# KiCad board [DFR1144][M027.00940](V1.0.0).kicad_pcb (continued)
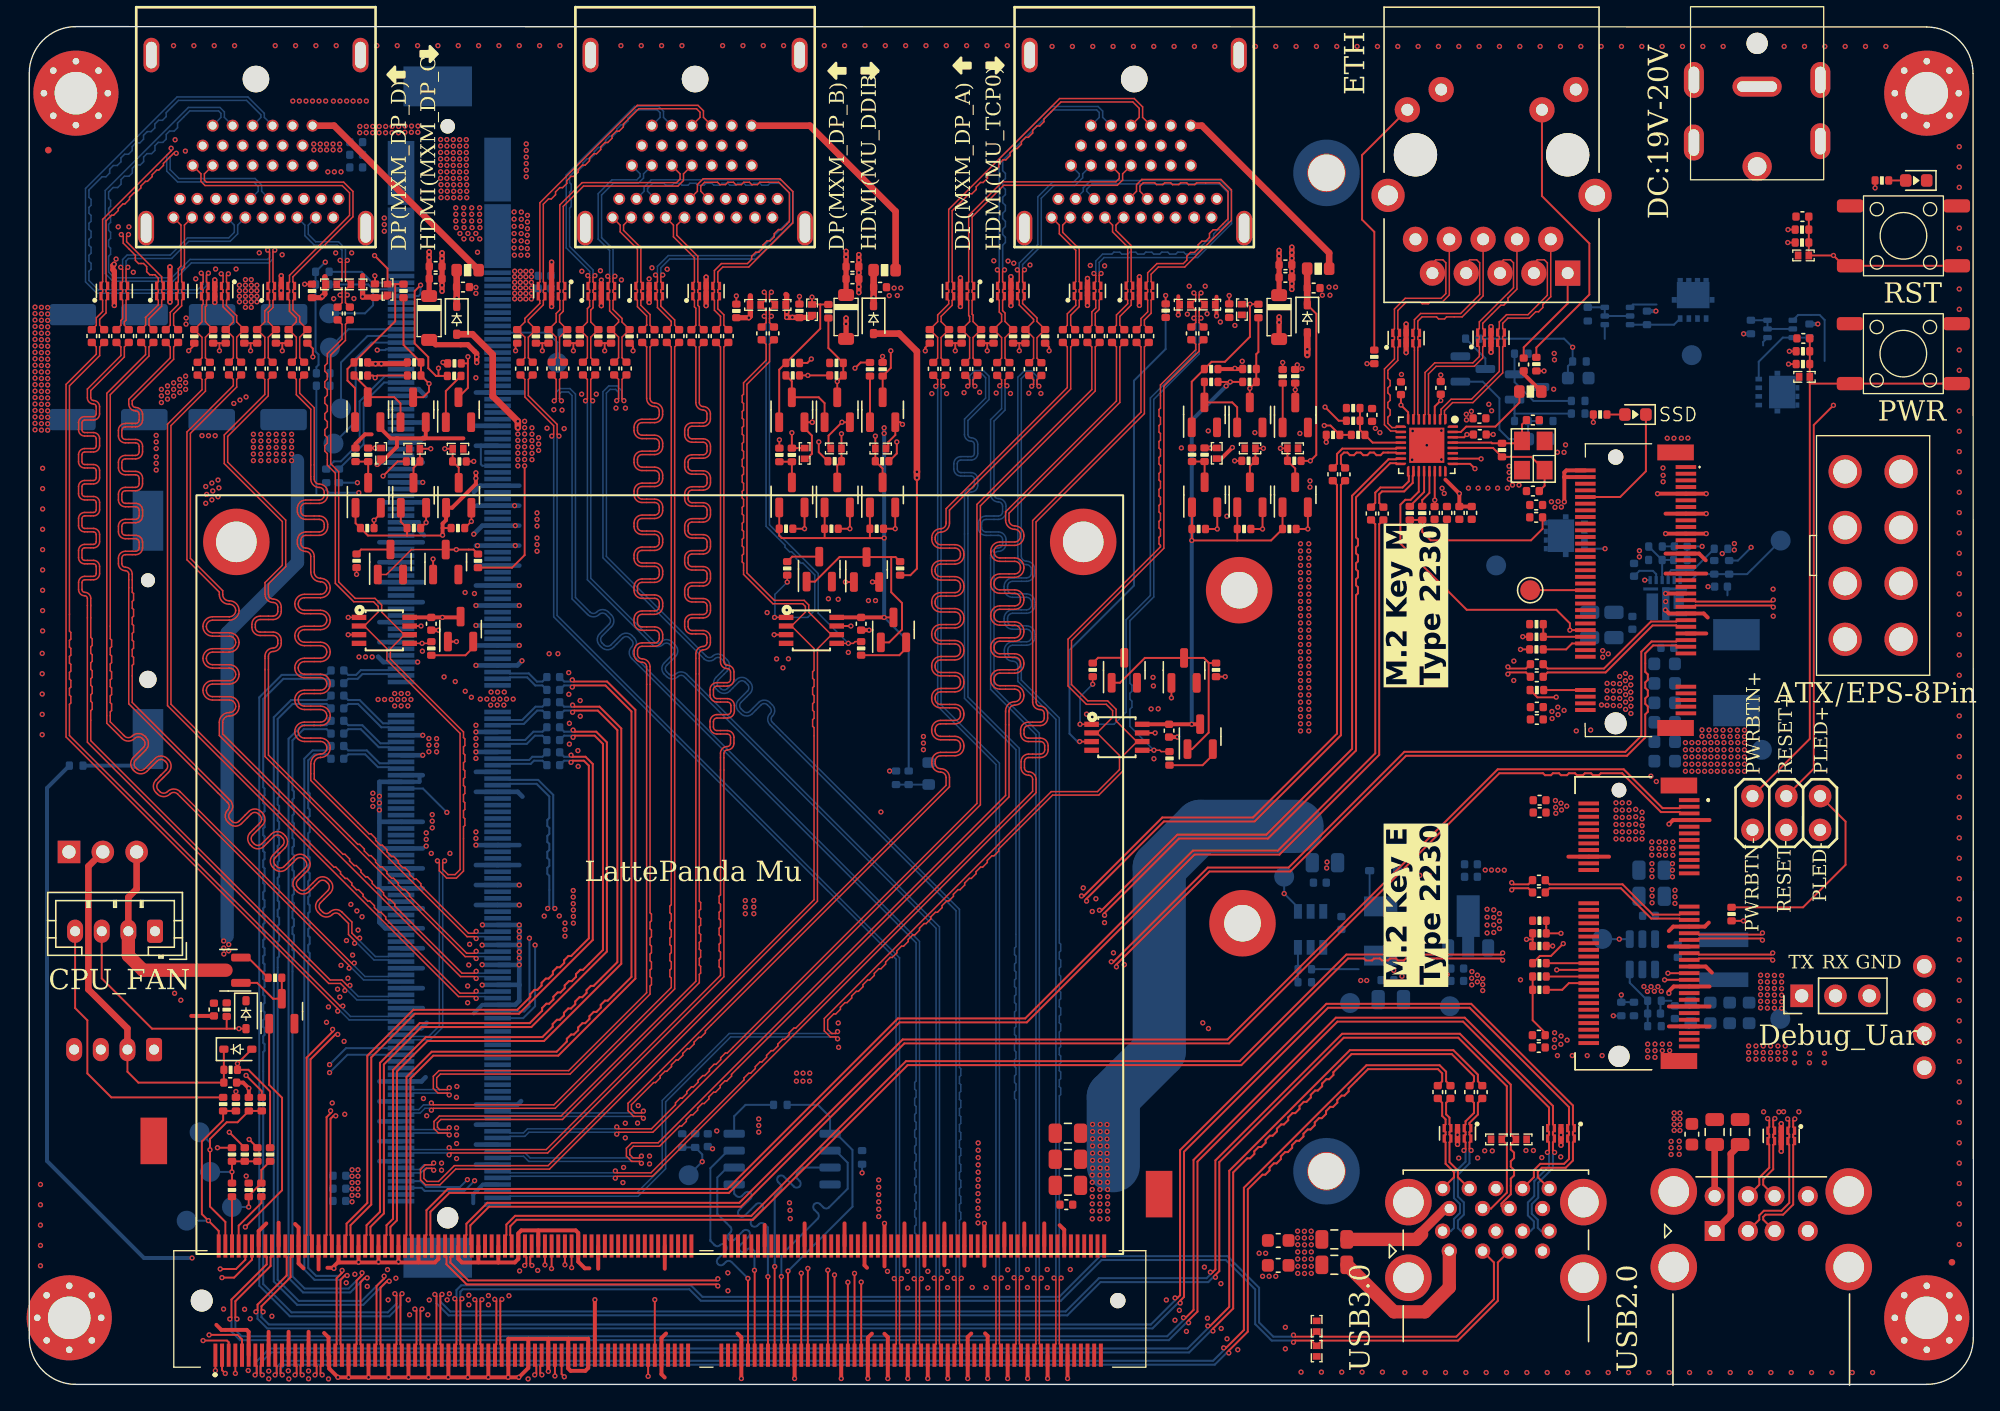
[diagram p0: board, top side]
## Nets (continued)

## Via types
v1: diameter 0.4, hole 0.2, In1.SIG1 to In8.SIG4, 1888 vias

## Routing (per net, layer and track width the routed paths; a pad name or vN(x,y) marks a point on that pad's centre or on a via; arc(x,y) is an arc through that point)
5V_HDMI_VCC: length 124.9
  In1.SIG1 w0.15: v1(59.29,70.8) 59.29,70.03 59.97,69.35 R157.1 ; D4.1 96.65,80.43 96.65,69.82 v1(96.21,69.38) R19.1 ; v1(26.57,68.24) 27.66,69.33 R114.1 ; v1(65.15,70.8) 65.15,69.93 64.57,69.35 R160.1 ; R16.1 v1(90.52,69.38) ; v1(33.38,69.34) 33.37,69.33 R117.1
  In1.SIG1 w0.5: D24.1 32.1,80.99 v1(32.1,81.62) F2.1 ; F1.1 95.97,81.11 D4.1 ; F6.1 v1(63.41,81.7) 63.41,81.04 D19.1
  In3.SIG2 w0.15: v1(96.21,69.38) v1(90.52,69.38) 89.1,70.8 v1(65.15,70.8) ; v1(33.38,69.34) 34.48,68.24 56.73,68.24 v1(59.29,70.8)
  In6.SIG3 w0.15: v1(59.29,70.8) v1(65.15,70.8) 65.15,79.96 v1(63.41,81.7) ; v1(33.38,69.34) 32.28,68.24 v1(26.57,68.24) ; 32.1,68.24 v1(32.1,81.62)
+1V0: length 25.1
  In1.SIG1 w0.15: U5.30 107.76,71.15 v1(107.97,71.36) C21.2 ; U5.8 103.55,73.03 v1(103.01,73.57) C19.2 ; C22.2 105.55,65.96 v1(105.55,66.43) U5.22 ; C20.2 v1(106,73.91) 105.55,73.46 U5.3
  In1.SIG1 w0.3: C30.2 C26.2 v1(107.4,66.92) 106.35,67.97
  In4.PWR w0.3: 107.4,71.35 v1(107.4,66.92) 106.9,66.43 v1(105.55,66.43) ; 107.4,71.35 107.96,71.35 ; 107.4,71.35 107.4,72.51 v1(106,73.91) 103.35,73.91 v1(103.01,73.57)
+3V3: length 193.3
  In1.SIG1 w0.15: Q2.1 90.72,64.26 R6.1 90.72,63.4 ; 62.47,57.62 C128.2 ; Q8.1 27.9,64.8 R29.1 28.37,63.77 ; R45.2 100.46,76.68 ; R44.2 v1(113.76,76.13) ; R149.1 v1(90.19,75.31) R150.1 ; R38.2 98.34,72.39 v1(97.31,73.42) ; R79.1 v1(15.52,22) 15.52,22.04 ; Q3.1 94.12,64.26 R4.1 93.26,63.4 90.72,63.4 ; Q1.1 87.32,64.27 R5.2 87.31,63.41 v1(87.3,63.4) 90.72,63.4 ; R22.1 v1(58.47,75.8) R23.1 ; Q15.1 56.32,65.88 R92.1 56.32,63.76 56.5,63.58 59.73,63.58 ; 63.13,63.58 v1(64.2,63.58) ; 63.13,63.58 59.73,63.58 ; 63.13,63.58 R91.1 63.13,65.88 Q17.1 ; R80.1 v1(14.13,17.78) ; R50.2 v1(117.46,72.27) ; R72.2 v1(132.08,86.75) ; 28.37,63.77 31.12,63.77 ; 28.37,63.77 25.43,63.77 R28.1 24.5,64.7 Q7.1 ; R69.2 138.62,89.88 ; R121.1 25.8,75.79 v1(25.97,75.62) 26.14,75.79 R120.1 ; C46.2 113.84,26.42 112.9,27.36 R54.2 R55.1 ; R67.2 v1(132.18,77.61) ; v1(128.74,34.82) 128.74,34.82 R64.1 ; R40.1 R41.1 104.61,64.05 105.25,63.41 112.78,63.41 113.65,64.28 C40.2 ; R27.1 31.04,64.33 ; Q16.1 59.73,65.88 R93.1 59.73,63.58 ; Q27.3 v1(64.2,57.62)
  In1.SIG1 w0.3: v1(31.04,63.79) 31.04,64.67 31.3,64.93 Q19.1 31.75,65.85 33.54,67.64 v1(33.54,68.06) v1(33.54,68.48) ; 115.28,68.16 v1(115.28,66.3) ; 115.28,68.16 115.28,68.51 115.43,68.66 J5.2 ; 115.28,68.16 115.28,68.16 J5.4 ; U21.8 C127.2 v1(87.3,49.59) 87.92,49.59 ; Q30.3 32.33,57.62 v1(31.03,57.62) C129.2 U23.8 ; v1(64.2,57.62) 62.47,57.62 ; U22.8 C128.2
  In1.SIG1 w0.4: 30.03,78.59 30.51,78.1 32.94,78.1 33.6,77.44 v1(33.6,77.19) v1(33.6,76.77) ; v1(61.34,80.1) v1(61.34,79.67) 61.34,78.66 ; 93.86,78.65 v1(93.86,79.78) v1(93.86,80.19)
  In3.SIG2 w0.15: v1(33.66,85.05) 32.32,83.7 22.84,83.7 v1(22.23,84.31) ; v1(25.97,75.62) 33.54,75.62 v1(33.54,75.62)
  In3.SIG2 w0.3: v1(31.03,57.62) 31.03,63.79
  In8.SIG4 w0.15: R90.1 66.04,55.78 v1(64.2,57.62) ; 123.32,28.82 R75.2 122.5,28.76 C58.1 ; v1(22.23,84.31) R112.2 R109.2 21.5,77.59 21.73,77.36 21.73,76.59 21.56,76.42 R107.1
  In8.SIG4 w0.3: v1(87.3,49.59) v1(87.3,63.4) 87.3,72.42 v1(89.89,75) v1(90.19,75.31) ; v1(64.2,57.62) v1(64.2,63.58) v1(64.2,71.44) v1(64.2,71.86)
  vias: v1(24.24,16.12) v1(24.24,15.64) v1(24.24,15.16) v1(24.24,14.68) v1(24.24,14.2) v1(24.24,13.72) v1(24.68,16.12) v1(24.68,15.64) v1(24.68,15.16) v1(24.68,14.68) v1(24.68,14.2) v1(100.46,76.68) v1(101.09,71.82) v1(101.43,71.5) v1(106.1,67.32) v1(106.26,66.93) v1(107.92,72.88) v1(107.93,72.45) v1(108.3,73.1) v1(114.31,66.31) v1(114.35,50.55) v1(114.36,50.02) v1(114.53,25.32) v1(114.58,65.89) v1(114.61,43.86) v1(114.63,43.35) v1(114.64,42.9) v1(114.55,26.42) v1(114.55,25.89) v1(114.81,66.33) v1(114.79,50.87) v1(114.81,50.31) v1(115.03,43.66) v1(115.04,26.17) v1(115.02,25.55) v1(115.06,65.91) v1(115.07,43.15) v1(115.26,50.63) v1(115.46,43.44) v1(115.49,25.86) v1(130.02,30.75) v1(130.02,30.25) v1(130.02,29.76) v1(130.02,29.27) v1(130.02,28.78) v1(130.02,28.29) v1(130.53,30.72) v1(130.53,30.23) v1(130.53,29.74) v1(130.53,29.25) v1(130.53,28.76) v1(130.53,28.26) v1(131.06,30.72) v1(131.06,30.23) v1(131.06,29.74) v1(131.06,29.25) v1(131.06,28.76) v1(131.06,28.26) v1(131.6,30.71) v1(131.6,30.22) v1(131.6,29.73) v1(131.6,29.24) v1(131.6,28.75) v1(131.6,28.25) v1(138.62,89.88)
+3V3_ROM: length 64.3
  In4.PWR w0.3: v1(106.48,30.8) v1(106.19,30.5) 104.88,29.2 61.79,29.2 v1(51.63,19.04)
  In8.SIG4 w0.15: U29.8 52.94,20.15 53.79,21 R138.2
+5V: length 338.2
  In1.SIG1 w0.15: R77.2 17.95,30.55 16.43,32.06 Q12.2 ; R127.1 v1(89.82,53.17) ; R130.1 66.17,60.79 66.66,61.28 v1(66.66,68.11) ; R133.1 36.26,61.36 37.2,62.3 v1(37.2,69)
  In1.SIG1 w0.5: D4.2 v1(95.98,77.76) v1(95.98,77.33) ; v1(66.66,68.11) v1(66.66,68.55) 66.66,77.6 65.32,78.94 D19.2 ; v1(36.69,71.87) v1(36.69,72.35) 34.8,74.24 34.8,77.37 33.28,78.89 D24.2
  In3.SIG2 w0.15: v1(89.82,53.17) 87,55.98 87,61.25 89.94,64.19 v1(89.94,65.22) ; v1(125.63,62.95) 125.63,47.97 v1(125.33,47.67)
  In3.SIG2 w0.5: v1(95.98,77.76) 95.98,77.22 98.11,75.09 98.11,69.8 v1(96.18,67.88) v1(96.18,67.41)
  In3.SIG2 w3: v1(17.09,81.33) 18.87,79.55 33.94,79.55 36.84,82.45 ; 124.51,20.62 96.6,20.62 93.5,17.52 93.5,12.31 95.09,10.72
  In3.SIG2 w4: v1(19.11,71.38) 20.57,72.83 34.33,72.83 36.59,70.57 ; 124.68,20.79 124.68,20.79 126.28,20.79 126.28,46.59
  In4.PWR w4: 36.59,70.57 36.59,69.05 37.25,68.39 83.27,68.39 84.63,67.03 101.21,67.03 104.35,63.89 113.08,63.89 126.28,50.69 126.28,47.94
  In8.SIG4 w0.15: R78.2 C169.2 v1(125.63,62.95)
  In8.SIG4 w1: 14.86,33.67 14.86,56.46 20.14,61.74 20.14,69.4
  vias: v1(14.6,33.31) v1(14.6,32.78) v1(14.61,32.33) v1(14.98,33.04) v1(14.97,32.57) v1(15.78,82.57) v1(15.78,82.16) v1(15.78,81.74) v1(15.78,81.33) v1(16.23,82.99) v1(16.23,82.57) v1(16.23,82.16) v1(16.23,81.74) v1(16.23,81.33) v1(16.23,80.91) v1(16.67,82.99) v1(16.67,82.57) v1(16.67,82.16) v1(16.67,81.74) v1(16.67,81.33) v1(16.67,80.91) v1(16.83,71.38) v1(16.83,70.88) v1(16.83,70.38) v1(16.83,69.89) v1(16.83,69.39) v1(17.09,82.57) v1(17.09,82.16) v1(17.09,81.74) v1(17.39,71.38) v1(17.39,70.88) v1(17.39,70.38) v1(17.39,69.89) v1(17.39,69.39) v1(17.98,71.38) v1(17.98,70.88) v1(17.98,70.38) v1(17.98,69.89) v1(17.98,69.39) v1(18.54,71.38) v1(18.54,70.88) v1(18.54,70.38) v1(18.54,69.89) v1(18.54,69.39) v1(19.11,70.88) v1(19.11,70.38) v1(19.11,69.89) v1(19.11,69.39) v1(19.7,71.38) v1(19.7,70.88) v1(19.7,70.38) v1(19.7,69.89) v1(19.7,69.39) v1(36.45,83.63) v1(36.45,83.21) v1(36.45,82.8) v1(36.45,82.38) v1(36.45,81.97) v1(36.45,81.55) v1(36.69,71.39) v1(36.69,70.91) v1(36.69,70.44) v1(36.69,69.96) v1(36.69,69.48) v1(36.69,69) v1(36.87,83.62) v1(36.87,83.2) v1(36.87,82.79) v1(36.87,82.37) v1(36.87,81.96) v1(36.87,81.54) v1(37.2,72.35) v1(37.2,71.87) v1(37.2,71.39) v1(37.2,70.91) v1(37.2,70.44) v1(37.2,69.96) v1(37.2,69.48) v1(37.29,83.62) v1(37.29,83.2) v1(37.29,82.79) v1(37.29,82.37) v1(37.29,81.96) v1(37.29,81.54) v1(37.71,83.62) v1(37.71,83.2) v1(37.71,82.79) v1(37.71,82.37) v1(37.71,81.96) v1(37.71,81.54) v1(37.75,71.86) v1(37.75,71.38) v1(37.75,70.9) v1(37.75,70.42) v1(37.75,69.95) v1(37.75,69.47) v1(38.25,71.12) v1(38.25,70.64) v1(38.25,70.16) v1(95.25,11.51) v1(95.25,11.01) v1(95.26,10.49) v1(95.26,9.95) v1(95.26,9.42) v1(95.26,8.87) v1(95.26,8.34) v1(95.76,11.5) v1(95.76,11) v1(95.77,10.48) v1(95.77,9.94) v1(95.77,9.41) v1(95.77,8.86) v1(95.77,8.33) v1(96.27,11.51) v1(96.27,11.01) v1(96.28,10.49) v1(96.28,9.95) v1(96.28,9.42) v1(96.28,8.87) v1(96.28,8.34) v1(123.53,20.39) v1(123.53,19.95) v1(123.53,19.52) v1(123.53,19.08) v1(123.96,20.39) v1(123.96,19.95) v1(123.96,19.51) v1(123.96,19.07) v1(124.38,48.21) v1(124.38,47.67) v1(124.38,47.14) v1(124.38,46.59) v1(124.38,46.06) v1(124.86,48.21) v1(124.86,47.67) v1(124.86,47.14) v1(124.86,46.59) v1(124.86,46.06) v1(125.33,48.21) v1(125.33,47.14) v1(125.33,46.59) v1(125.33,46.06) v1(125.62,49.17) v1(125.62,48.69) v1(125.81,48.21) v1(125.81,47.67) v1(125.81,47.14) v1(125.81,46.59) v1(125.81,46.06) v1(126.15,49.17) v1(126.15,48.69) v1(126.29,48.21) v1(126.29,47.67) v1(126.29,47.14) v1(126.29,46.59) v1(126.29,46.06) v1(126.66,49.15) v1(126.66,48.67) v1(126.77,48.21) v1(126.77,47.67) v1(126.77,47.14) v1(126.77,46.59) v1(126.77,46.06) v1(127.2,49.15) v1(127.2,48.67) v1(127.27,48.21) v1(127.27,47.67) v1(127.27,47.14) v1(127.27,46.59) v1(127.27,46.06) v1(127.73,49.15) v1(127.73,48.67) v1(127.8,48.21) v1(127.8,47.67) v1(127.8,47.14) v1(127.8,46.59) v1(127.8,46.06) v1(128.28,49.15) v1(128.28,48.67) v1(128.31,48.21) v1(128.31,47.67) v1(128.31,47.14) v1(128.31,46.59) v1(128.31,46.06) v1(128.81,49.15) v1(128.81,48.67) v1(128.81,48.21) v1(128.81,47.67) v1(128.81,47.14) v1(128.81,46.59) v1(128.81,46.06)
+5V_FAN: length 15.8
  In1.SIG1 w0.5: J8.3 8.06,37.21 7.44,36.59 M1.2
  In1.SIG1 w1: M1.2 7.44,32.21 8.54,31.11 14.77,31.11
+12V_FAN: length 115.3
  In4.PWR w0.5: J8.1 1.77,38.79 1.77,33.23 3.3,31.7 6.91,31.7 13.91,24.7 55.62,24.7 61.26,30.34 v1(99.99,30.34) v1(100.44,30.34)
  In8.SIG4 w0.15: R66.1 99.83,31.19
GND: length 517.7
  In1.SIG1 w0.15: v1(64.08,77.22) 64.09,77.22 R154.2 ; v1(65.58,72.12) 65.41,72.28 Q18.2 65.04,71.32 64.51,70.79 64.51,70.31 ; R24.2 58.44,76.74 v1(58.73,77.03) ; 60.02,70.31 60.02,71.27 v1(61.03,72.28) Q5.2 ; R94.2 v1(56.33,70.96) ; R111.1 v1(114.4,32.93) 114.41,32.93 ; 58.23,69.36 58.78,69.91 58.78,71.27 58.22,71.83 Q6.2 v1(58.8,72.28) ; C20.1 v1(106,75.83) ; C21.1 109.94,71.36 v1(109.94,71.36)
  In1.SIG1 w0.3: v1(125.94,65.41) J5.15 122.88,65.41 ; A1.237 v1(74.98,0.44) ; D2.1 89.52,69.55 v1(90.35,70.38) ; A1.167 v1(57.48,0.44) ; 115.58,39.64 J6.18 118.64,39.64 ; 20.59,8.72 20.23,9.09 A1.26 20.23,11.78 19.96,12.05 ; A1.243 v1(76.48,0.44) ; C127.1 v1(86.22,48.63) ; A1.236 74.73,12.09 ; J6.51 125.9,31.39 126.36,30.93 ; 27.61,71.07 27.13,71.07 26.37,71.83 Q22.2 ; 27.61,71.07 29.56,71.07 ; 27.61,71.07 27.61,70.44 26.52,69.34 26.45,69.34 26.22,69.11 v1(26.11,69.11) ; 126.19,26.89 J6.69 123.13,26.89 ; v1(125.94,66.91) J5.9 122.28,66.91 v1(122.28,66.91) ; R151.2 91.12,76.27 R148.2 ; 29.56,71.07 29.72,71.07 29.77,71.12 Q21.2 ; 29.56,71.07 32.6,71.07 ; v1(122.87,58.18) 123.14,57.91 J5.45 125.75,57.91 126.05,57.61 ; A1.83 34.48,0.53 ; 23.23,9.22 23.28,9.16 24.73,9.16 ; 23.23,9.22 A1.38 ; 23.23,9.22 22.77,8.76 22.39,8.76 ; v1(62.98,0.44) A1.189 62.98,3.5 63.28,3.81 ; 123.13,28.39 J6.63 126.19,28.39 ; 71.73,8.91 A1.224 v1(71.73,12.09) ; C69.2 12.16,27.68 ; 29.97,0.53 29.98,0.53 A1.65 ; 126.19,29.89 J6.57 123.49,29.89 123.08,29.48 ; A1.32 21.73,8.64 ; A1.59 28.48,0.53 ; C128.1 63.07,56.66 v1(63.07,56.66) ; 71.78,3.83 71.98,3.63 A1.225 v1(71.98,0.44) ; 37.48,3.42 A1.95 37.48,1.23 36.77,0.53 v1(36.76,0.53) v1(35.96,0.53) v1(34.47,0.53) v1(32.93,0.53) v1(31.46,0.53) v1(29.98,0.53) v1(28.48,0.53) v1(26.98,0.53) v1(25.48,0.53) v1(23.98,0.53) v1(23.18,0.53) 22.53,1.19 22.53,2.14 A1.35 22.48,3.53 22.14,3.86 ; A1.213 v1(68.98,0.44) ; v1(125.94,63.91) J5.21 v1(122.88,63.91) ; 32.97,0.53 32.98,0.53 A1.77 ; A1.20 18.73,12.15 ; A1.41 23.98,0.53 ; v1(86.29,80.34) 86.29,81.74 ; 122.88,62.41 J5.27 125.4,62.41 125.9,61.91 ; 62.73,12.09 A1.188 62.73,8.94 62.91,8.76 ; R81.2 v1(16.49,22.24) 16.49,22.24 16.06,22.67 C70.2 ; 27.73,9.16 v1(27.73,9.21) A1.56 ; A1.170 58.23,12.09 ; A1.44 v1(24.73,9.18) 24.73,9.16 ; J5.39 v1(122.88,59.41) ; v1(89.16,80.27) 89.16,81.71 ; A1.47 25.48,0.53 ; 125.94,60.91 J5.33 122.88,60.91 ; J6.45 123.13,32.89 ; v1(53.48,0.44) A1.151 53.48,3.53 53.19,3.82 ; A1.80 33.73,9.16 ; A1.136 47.73,8.69 ; A1.62 29.23,9.16 ; A1.182 61.23,12.09 ; 24.73,9.16 30.46,9.16 30.73,9.42 A1.68 ; J5.51 125.94,56.41 ; R30.2 24.5,70.66 25.21,71.37 25.71,71.37 ; v1(63.32,60.28) 63.32,60.28 Q28.2 ; A1.158 55.23,11.97 ; 35.23,9.16 32.49,9.16 32.23,9.42 A1.74 ; 35.23,9.16 36.46,9.16 36.73,9.42 A1.92 36.73,11.34 36.95,11.57 41.03,11.57 41.23,11.38 A1.110 41.23,9.22 41.72,8.72 42.06,8.72 ; 35.23,9.16 A1.86 ; A1.231 v1(73.48,0.44) ; 47.82,3.82 47.48,3.47 A1.135 47.48,0.76 47.72,0.52 ; 68.73,8.94 A1.212 68.73,12.09 ; A1.23 19.48,3.94 ; A1.249 v1(77.98,0.44) ; 38.98,3.42 A1.101 38.98,0.98 v1(38.98,0.98) ; A1.53 26.98,0.53 ; A1.207 v1(67.48,0.44) ; 67.23,12.09 A1.206 67.23,8.91 ; A1.201 v1(65.98,0.44) ; A1.116 42.73,8.69 ; A1.11 16.48,3.94 16.33,4.09 14.43,4.09 14.05,4.47 ; C129.1 30.73,56.66 v1(30.73,56.66) ; 38.23,11.56 A1.98 ; A1.29 20.98,3.94 ; A1.17 17.98,3.94 ; v1(31.07,76.78) 31.14,76.7 R36.2 ; A1.248 77.73,11.62 77.38,11.96 ; 70.74,3.82 70.48,3.56 A1.219 v1(70.48,0.44) ; 123.13,34.06 123.46,34.39 J6.39 125.83,34.39 126.13,34.69 ; 64.22,3.8 64.48,3.54 A1.195 v1(64.48,0.44) ; A1.181 v1(60.98,0.44) ; 26.23,9.16 v1(26.23,9.2) A1.50 ; 65.73,8.91 A1.200 65.73,12.09 ; A1.230 73.23,12.09 ; 64.23,8.87 A1.194 v1(64.23,12.09) ; 126.19,42.39 J6.7 123.44,42.39 v1(123.14,42.09) ; A1.242 76.23,12.09 ; 17.8,12.09 17.23,11.52 A1.14 ; 70.23,8.91 A1.218 70.23,12.09 ; 40.48,3.42 A1.107 40.48,1.19 40.65,1.02 41.76,1.02 41.98,1.23 A1.113 41.98,3.42 35.98,3.42 A1.89 35.98,0.53 ; A1.71 31.48,0.53 ; C34.2 112.23,75.91 R42.1 ; v1(97.4,70.78) R135.1
  In1.SIG1 w0.4: U27.3 v1(79.47,81.06) ; U27.3 v1(79.47,83.08) ; U27.3 U27.8 ; v1(10.56,83.94) 10.56,83.94 U19.8 v1(10.56,81.31) ; v1(62.3,82.02) v1(62.3,82.46) C82.1 v1(62.3,83.52) v1(62.3,84.46) v1(62.3,84.87) ; v1(39.22,80.97) U12.8 U12.3 v1(39.22,84.3) ; 58.78,80.16 v1(57.31,80.16) 56.88,80.16 ; 54.15,81.78 54.15,80.24 v1(54.04,80.13) R25.2 ; v1(13.93,82.97) U17.3 U17.8 v1(13.93,81.28) ; v1(131.57,17.52) U15.8 U15.3 v1(131.57,19.58) ; v1(69.93,80.98) U1.8 U1.3 v1(69.93,83.12) ; v1(73.72,81.05) U2.3 U2.8 v1(73.72,83.21) ; v1(50.83,81.04) U4.3 U4.8 v1(50.83,83.18) ; v1(31,85) 31,85 v1(31,84.58) C125.1 C126.1 v1(31,82.57) v1(31,82.12) ; v1(94.82,85.43) v1(94.82,85.02) v1(94.82,84.6) v1(94.82,83.63) C158.1 v1(94.82,82.69) v1(94.82,82.26) ; v1(6.39,81.05) U20.3 U20.8 6.39,83.62 6.28,83.73 6.28,84.06 v1(6.37,84.15) ; v1(83.37,83.2) U28.8 U28.3 v1(83.37,81.06) ; 25.03,83.3 v1(25.03,81.72) 25.03,81.68 ; U25.3 U25.8 v1(115.03,17.97) ; U18.3 v1(18.92,82.17) U18.8 v1(18.92,83.28) ; 56.82,81.88 56.88,81.82 v1(56.88,80.57) v1(56.88,80.16) ; 22.2,83.2 22.2,83.2 22.2,81.92 v1(22.01,81.73) 21.92,81.64 R123.2 ; v1(109.78,79.46) U7.8 U7.3 v1(109.78,77.54) ; v1(103.4,77.51) U6.3 U6.8 v1(103.4,79.65) ; v1(107.26,18.03) U24.8 U24.3 ; U3.8 U3.3 v1(46.55,81.28) ; v1(42.96,81.04) U13.3 U13.8 ; R119.2 28.29,76.67 v1(26.44,76.67) v1(26,76.67) 25.51,76.67 R122.2 ; 25.03,81.68 26.9,81.68
  In8.SIG4 w0.15: 33.91,70.51 33.91,69.12 34.02,69.01 J11.59 ; R108.2 21.56,66.92
  In8.SIG4 w0.3: R143.1 v1(128.74,78.92) ; J11.221 34.02,28.51 33.38,27.87 ; J11.154 29.29,45.26 29.31,45.28 29.31,45.76 ; R144.1 v1(134.32,79.66) ; J11.275 34.06,15.01 33.34,14.29 33.34,13.61 ; R142.1 v1(122.16,80.63)
  In8.SIG4 w0.35: 33.54,21.01 J11.251 36.66,21.01 36.93,21.28 ; 29.55,42.26 J11.166 26.29,42.26 ; v1(33.54,54.01) J11.119 36.65,54.01 v1(37,54.36) ; v1(36.8,55.51) J11.113 33.54,55.51 ; 29.55,37.26 J11.186 26.29,37.26 ; 33.54,36.01 J11.191 v1(36.8,36.01) ; 29.76,74.25 29.25,74.76 J11.36 ; J11.221 36.5,28.51 36.8,28.81 36.8,30.01 ; J11.46 29.55,72.26 ; J11.203 v1(36.8,33.01) ; 33.54,60.01 J11.95 v1(36.8,60.01) ; 36.8,67.51 J11.65 33.86,67.51 33.39,67.04 ; 29.55,38.76 J11.180 26.29,38.76 ; J11.209 v1(36.8,31.51) ; 36.8,30.01 v1(36.8,34.51) J11.197 ; 36.8,30.01 J11.215 ; J11.76 29.25,64.76 29.25,64.19 29.65,63.78 ; 29.55,63.26 J11.82 26.29,63.26 ; 37.03,44.16 36.68,44.51 J11.157 33.54,44.51 ; J11.145 v1(33.54,47.51) ; 36.8,64.51 v1(36.5,64.51) J11.77 34.02,64.51 v1(33.38,63.87) ; 33.54,63.01 v1(33.66,63.01) J11.83 v1(36.5,63.01) 36.8,63.01 ; 29.55,60.26 J11.94 26.29,60.26 ; J11.250 26.29,21.26 ; 26.29,40.26 J11.174 29.55,40.26 ; J11.64 v1(29.55,67.76) ; J11.140 v1(29.55,48.76) ; J11.268 26.29,16.76 ; 26.29,35.76 J11.192 29.55,35.76 ; 33.54,39.01 J11.179 36.8,39.01 ; v1(33.54,58.51) J11.101 v1(36.8,58.51) ; J11.269 33.54,16.51 ; J11.262 26.29,18.26 ; J11.216 29.55,29.76 ; 26.29,22.76 J11.244 29.45,22.76 29.76,23.07 ; 33.54,66.01 J11.71 v1(36.45,66.01) 36.8,66.01 ; 29.55,66.26 J11.70 26.29,66.26 ; 26.29,58.76 J11.100 29.55,58.76 ; J11.204 29.55,32.76 ; v1(29.17,54.26) J11.118 26.6,54.26 26.2,54.66 ; 37.12,74.51 J11.37 33.54,74.51 ; J11.106 26.29,57.26 ; 33.54,37.51 J11.185 v1(36.8,37.51) ; 29.55,34.26 J11.198 26.74,34.26 26.29,34.71 v1(26.29,43.15) v1(26.29,43.68) 26.29,44.18 v1(26.29,44.18) 26.29,44.18 26.29,45.26 J11.154 ; 36.8,61.51 J11.89 33.54,61.51 ; J11.146 v1(29.55,47.26) ; J11.151 33.54,46.01 ; J11.222 29.55,28.26 ; J11.228 29.44,26.76 29.84,27.16 ; J11.152 29.55,45.76 ; 26.29,69.26 J11.58 29.55,69.26 ; v1(33.54,40.51) J11.173 36.8,40.51 ; J11.256 26.29,19.76 ; J11.139 v1(33.54,49.01) ; J11.88 26.29,61.76 ; J11.52 29.25,70.76 29.67,71.18 ; 33.54,70.51 J11.53 ; J11.47 33.54,72.01 ; J11.263 33.54,18.01 ; J11.257 33.54,19.51 ; v1(33.54,57.01) J11.107 v1(36.8,57.01) ; J11.210 29.55,31.26 ; J11.112 26.29,55.76
  vias: v1(0.84,15.02) v1(0.84,13.49) v1(0.84,11.96) v1(0.84,10.44) v1(0.84,8.91) v1(1,68.82) v1(1,67.29) v1(1,65.76) v1(1,64.24) v1(1,62.71) v1(1,61.18) v1(1,59.66) v1(1,58.13) v1(1,56.6) v1(0.97,54.92) v1(0.97,53.39) v1(0.97,51.86) v1(0.97,50.33) v1(0.97,48.81) v1(6.52,84.54) v1(6.68,86.96) v1(7.48,86.96) v1(7.81,83.55) v1(9.53,71.29) v1(9.53,70.8) v1(9.53,70.3) v1(9.53,69.68) v1(9.53,69.19) v1(9.53,68.69) v1(9.92,74.75) v1(9.92,74.26) v1(9.92,73.76) v1(10.38,75.01) v1(10.38,74.52) v1(10.38,74.02) v1(10.83,100.57) v1(10.84,75.24) v1(10.84,74.75) v1(10.84,74.25) v1(10.91,29.38) v1(10.95,93.5) v1(11.3,75.5) v1(11.3,75.01) v1(11.3,74.51) v1(11.38,28.86) v1(11.72,92.65) v1(11.74,75.74) v1(11.74,75.25) v1(11.74,74.75) v1(11.78,80.11) v1(11.77,79.65) v1(12.36,100.57) v1(12.5,83.05) v1(12.97,71.27) v1(13.25,67.45) v1(13.32,66.86) v1(13.25,66.19) v1(13.46,71.27) v1(13.71,67.71) v1(13.71,66.45) v1(13.78,67.12) v1(13.89,100.57) v1(13.99,83.79) v1(13.96,71.27) v1(14.17,67.94) v1(14.24,67.35) v1(14.17,66.68) v1(14.59,5.66) v1(15.41,100.57) v1(15.36,73.69) v1(15.53,83.79) v1(15.82,73.95) v1(16.17,5.64) v1(16.28,74.18) v1(16.29,15.65) v1(16.44,1.04) v1(16.59,4.93) v1(17.27,85.01) v1(17.98,1) v1(17.98,0.42) v1(18.22,5.12) v1(18.47,100.57) v1(18.99,84.86) v1(19.45,1.02) v1(19.49,0.41) v1(19.79,96.41) v1(20,100.57) v1(20.28,96.41) v1(20.78,96.41) v1(20.97,1.01) v1(20.97,0.42) v1(21.27,96.41) v1(21.36,93.18) v1(21.37,92.74) v1(21.52,100.57) v1(21.76,96.41) v1(21.85,93.18) v1(21.86,92.74) v1(22.26,96.41) v1(22.32,93.18) v1(22.33,92.74) v1(22.32,27.2) v1(22.42,91.09) v1(22.47,28.36) v1(22.47,0.41) v1(22.84,96.41) v1(22.81,93.18) v1(22.82,92.74) v1(22.75,21.14) v1(22.91,91.09) v1(22.86,81.56) v1(22.88,8.71) v1(23.01,85) v1(23.05,100.57) v1(23.15,29.69) v1(23.33,96.41) v1(23.31,93.18) v1(23.32,92.74) v1(23.32,29.1) v1(23.41,91.09) v1(23.41,31.48) v1(23.64,25.77) v1(23.69,20.29) v1(23.83,96.41) v1(23.82,33.34) v1(23.8,7.63) v1(23.93,30.51) v1(24.21,85) v1(24.15,36.06) v1(24.32,96.41) v1(24.28,32.25) v1(24.38,81.57) v1(24.45,8.27) v1(24.6,35.57) v1(24.69,34.13) v1(24.81,96.41) v1(24.76,54.65) v1(24.99,35.13) v1(25.31,96.41) v1(25.25,54.65) v1(25.38,7.36) v1(25.75,54.65) v1(25.8,44.41) v1(25.8,43.92) v1(25.8,43.42) v1(26.11,100.57) v1(26.19,51.45) v1(26.66,87.62) v1(26.66,87.13) v1(26.66,86.63) v1(26.68,51.45) v1(26.9,8.62) v1(26.95,6.35) v1(27.18,51.45) v1(27.44,51.9) v1(27.44,50.97) v1(27.53,7.98) v1(27.63,100.57) v1(27.67,51.45) v1(27.93,51.9) v1(27.93,50.97) v1(28.16,51.45) v1(28.43,51.9) v1(28.43,50.97) v1(28.46,6.35) v1(28.56,5.23) v1(28.66,51.45) v1(29.16,100.57) v1(29.52,55.08) v1(29.6,21.48) v1(29.81,41.43) v1(29.81,40.94) v1(29.81,40.44) v1(29.84,20.18) v1(29.93,5.23) v1(30.01,48.52) v1(30.01,48.03) v1(30.01,47.53) v1(30.04,6.34) v1(30.19,39.89) v1(30.26,42.8) v1(30.26,42.31) v1(30.26,41.81) v1(30.59,48.51) v1(30.59,48.02) v1(30.59,47.52) v1(30.69,100.57) v1(30.96,16.62) v1(30.96,16.09) v1(31.15,53.15) v1(31.38,6.35) v1(31.59,39.89) v1(31.55,6.81) v1(32.03,88.39) v1(32.03,87.9) v1(32.03,87.4) v1(31.99,52.8) v1(32.05,86.9) v1(32.11,22.38) v1(32.08,21.57) v1(32.09,19.27) v1(32.09,18.74) v1(32.09,18.09) v1(32.09,16.96) v1(32.21,100.57) v1(32.34,86.46) v1(32.63,88.39) v1(32.63,87.9) v1(32.63,87.4) v1(32.64,86.05) v1(32.65,86.9) v1(32.73,59.49) v1(32.74,52.07) v1(32.94,86.46) v1(32.92,29.93) v1(32.92,28.67) v1(33.01,31.51) v1(33.01,6.7) v1(33.01,5.98) v1(33.07,33.06) v1(33.22,88.39) v1(33.22,87.9) v1(33.22,87.4) v1(33.25,86.9) v1(33.23,86.05) v1(33.2,51.62) v1(33.43,59.41) v1(33.54,86.46) v1(33.54,82.41) v1(33.54,81.96) v1(33.54,49.51) v1(33.54,48.52) v1(33.54,48.01) v1(33.54,47.02) v1(33.54,41.5) v1(33.54,41.01) v1(33.74,100.57) v1(33.82,88.39) v1(33.82,87.9) v1(33.82,87.4) v1(33.84,86.9) v1(33.83,86.05) v1(33.87,51.48) v1(34.03,34.52) v1(34.01,33) v1(34.01,31.53) v1(34.01,30) v1(34.36,51.48) v1(34.48,6.67) v1(34.48,5.98) v1(34.68,52.01) v1(34.65,51.03) v1(34.86,51.48) v1(35.14,51.03) v1(35.17,52.01) v1(35.27,100.57) v1(35.35,51.48) v1(35.64,51.03) v1(35.67,52.01) v1(35.84,51.48) v1(36.02,6.66) v1(36.34,51.48) v1(36.41,88.08) v1(36.41,87.54) v1(36.41,87) v1(36.41,86.46) v1(36.41,85.91) v1(36.41,85.37) v1(36.43,84.83) v1(36.8,100.57) v1(36.8,34.04) v1(36.8,33.58) v1(36.8,32.5) v1(36.8,32.02) v1(36.82,8.52) v1(36.94,86.45) v1(36.94,85.91) v1(36.94,85.37) v1(36.92,84.83) v1(36.95,88.07) v1(36.95,87.53) v1(36.95,86.99) v1(37.32,93.19) v1(37.32,92.7) v1(37.32,92.2) v1(37.32,91.71) v1(37.32,91.22) v1(37.32,90.72) v1(37.41,87.82) v1(37.41,87.32) v1(37.41,86.82) v1(37.4,86.33) v1(37.4,85.83) v1(37.4,85.33) v1(37.42,84.83) v1(37.46,0.41) v1(38.13,65.47) v1(38.13,64.98) v1(38.13,64.48) v1(38.13,63.58) v1(38.13,63.09) v1(38.13,62.59) v1(38.18,8.56) v1(38.32,100.57) v1(38.67,35.18) v1(38.88,71.83) v1(39.04,54.89) v1(39.39,73.22) v1(39.7,54.89) v1(39.8,35.19) v1(39.85,100.57) v1(40.01,73.19) v1(40.17,71.8) v1(40.23,34.66) v1(40.23,34.17) v1(40.23,33.67) v1(40.51,53.47) v1(40.52,51.84) v1(40.56,49.66) v1(40.56,48.1) v1(40.85,37.1) v1(40.85,36.61) v1(40.85,36.11) v1(40.86,35.64) v1(40.86,35.15) v1(40.86,34.65) v1(41.2,47.61) v1(41.22,46.43) v1(41.37,51.37) v1(41.38,50.19) v1(41.49,83.62) v1(41.48,74.39) v1(42.58,74.39) v1(42.89,83.66) v1(42.96,82.96) v1(44.06,73.34) v1(44.43,100.57) v1(44.47,82.97) v1(44.63,16.3) v1(44.58,15.16) v1(44.77,73.34) v1(44.76,19.62) v1(44.76,18.52) v1(45.73,20.94) v1(45.68,19.63) v1(45.96,100.57) v1(46.55,83.05) v1(46.58,17.15) v1(46.58,16.56) v1(46.76,83.88) v1(47.49,100.57) v1(47.9,83.78) v1(49.01,100.57) v1(51.31,17.7) v1(52.07,100.57) v1(52.46,8.38) v1(52.47,7.03) v1(53.6,100.57) v1(53.77,36.35) v1(53.77,35.86) v1(53.77,35.36) v1(54.41,36.35) v1(54.41,35.86) v1(54.41,35.36) v1(54.78,19.94) v1(54.78,19.45) v1(54.78,18.95) v1(55.12,100.57) v1(55.41,57.98) v1(56.12,54.5) v1(56.65,100.57) v1(56.6,53.83) v1(57.01,54.51) v1(57.09,13.64) v1(57.13,13.08) v1(57.15,12.45) v1(57.62,23.38) v1(57.61,22.78) v1(58.11,23.38) v1(58.1,22.78) v1(58.61,23.38) v1(58.6,22.78) v1(59.7,100.57) v1(60.01,59.02) v1(60.75,58.98) v1(60.75,27.15) v1(60.78,25.32) v1(61.23,100.57) v1(61.51,54.99) v1(62.76,100.57) v1(63.02,58.88) v1(63.55,58.88) v1(63.79,15.36) v1(63.79,14.81) v1(63.79,14.26) v1(63.79,13.71) v1(63.79,13.16) v1(63.79,12.61) v1(64.29,100.57) v1(64.45,8.49) v1(64.58,81.79) v1(64.95,82.36) v1(65.19,81.8) v1(65.45,82.36) v1(65.81,100.57) v1(65.96,8.49) v1(65.96,7.24) v1(67.15,48.67) v1(67.15,48.18) v1(67.15,47.68) v1(67.34,100.57) v1(67.48,8.49) v1(67.48,7.25) v1(67.78,74.43) v1(68.87,100.57) v1(68.89,74.43) v1(68.96,8.49) v1(68.96,7.27) v1(70.2,74.5) v1(70.39,100.57) v1(70.81,7.28) v1(71.26,18.14) v1(71.26,17.59) v1(71.26,17.04) v1(71.26,16.49) v1(71.26,15.94) v1(71.26,15.39) v1(71.25,14.88) v1(71.25,14.33) v1(71.25,13.78) v1(71.25,13.23) v1(71.25,12.68) v1(71.25,12.13) v1(71.37,74.53) v1(71.92,100.57) v1(71.86,7.27) v1(72.43,84.41) v1(72.61,74.47) v1(73.45,100.57) v1(73.51,84.39) v1(73.48,8.61) v1(73.48,7.28) v1(73.69,74.44) v1(73.93,84.23) v1(74.96,8.63) v1(74.96,7.28) v1(75.06,74.46) v1(75.15,84.09) v1(75.97,74.44) v1(76.45,8.63) v1(76.45,7.27) v1(76.81,100.51) v1(78.18,8.63) v1(78.34,100.51) v1(79.15,37.3) v1(79.4,50.35) v1(79.68,84.06) v1(79.83,35.52) v1(79.87,100.51) v1(80.1,36.48) v1(80.75,34.69) v1(80.76,84.03) v1(81.39,100.51) v1(81.42,32.42) v1(82.24,31.53) v1(82.92,100.51) v1(84.25,50.74) v1(84.45,100.51) v1(84.39,53.11) v1(84.42,52.47) v1(84.46,47) v1(84.78,50.75) v1(85.39,6.34) v1(85.97,100.51) v1(86.04,4.82) v1(86.37,5.56) v1(86.52,70.35) v1(86.9,3.98) v1(86.97,80.4) v1(87.11,82.5) v1(87.5,100.51) v1(88.31,82.5) v1(88.25,8.81) v1(88.45,80.43) v1(88.54,71.63) v1(88.48,4.97) v1(89.03,100.51) v1(89.45,79.81) v1(89.49,7.57) v1(89.51,4.2) v1(89.95,3.42) v1(90.54,79.55) v1(90.54,76.33) v1(90.76,2.6) v1(91.09,76.86) v1(92.04,71.5) v1(92.08,100.51) v1(92.36,9.85) v1(92.62,8.12) v1(92.85,9.85) v1(93.11,8.12) v1(93.61,100.51) v1(93.61,8.12) v1(94.33,4.29) v1(94.33,2.67) v1(95.14,100.51) v1(95.23,76.59) v1(95.42,71.44) v1(95.51,0.92) v1(95.59,76.31) v1(96.67,100.51) v1(97.04,0.92) v1(97.11,81.82) v1(97.43,38.79) v1(97.46,39.24) v1(97.61,82.43) v1(97.68,81.82) v1(98.1,82.43) v1(98.19,100.51) v1(98.56,0.92) v1(99.72,100.51) v1(100.09,0.92) v1(101.25,100.51) v1(101.62,0.92) v1(102.47,31.1) v1(102.77,100.51) v1(103.05,75.87) v1(103.09,30.66) v1(103.09,30.18) v1(103.3,0.89) v1(103.4,31.07) v1(103.62,30.63) v1(103.62,30.11) v1(103.89,71.62) v1(103.85,69.46) v1(104.3,100.51) v1(104.43,38.24) v1(104.83,0.89) v1(104.95,70.55) v1(105.14,38.24) v1(105.83,100.51) v1(106.05,71.65) v1(106.05,69.48) v1(106.36,0.89) v1(107.26,18.75) v1(107.36,100.51) v1(107.35,17) v1(107.89,0.89) v1(108.08,67.33) v1(108.34,31.01) v1(108.32,30.51) v1(108.33,30.01) v1(108.81,67.33) v1(108.75,30.74) v1(108.75,30.24) v1(108.77,17.01) v1(108.88,100.51) v1(109.15,30.47) v1(109.15,30.03) v1(109.15,29.58) v1(109.34,38.64) v1(109.3,17.55) v1(109.41,0.89) v1(109.54,67.33) v1(109.48,35.69) v1(109.48,35.1) v1(109.48,34.51) v1(109.48,33.91) v1(109.61,73.63) v1(109.82,73.14) v1(109.81,38.64) v1(109.87,17.54) v1(109.98,35.65) v1(109.98,35.08) v1(109.98,34.52) v1(109.98,33.95) v1(110.27,67.33) v1(110.29,38.63) v1(110.41,100.51) v1(110.41,35.37) v1(110.41,34.8) v1(110.41,34.24) v1(110.77,38.63) v1(110.94,0.89) v1(111,67.33) v1(111.13,68.98) v1(111.14,68.51) v1(111.15,68) v1(111.39,67.56) v1(111.49,54.34) v1(111.48,52.88) v1(111.94,100.51) v1(111.88,67.56) v1(112.4,17.57) v1(112.47,0.89) v1(112.96,17.57) v1(113.46,100.51) v1(113.59,17.04) v1(113.99,0.89) v1(114.52,77.45) v1(114.54,76.97) v1(114.48,74.76) v1(114.76,70.02) v1(114.76,24.7) v1(114.99,100.51) v1(115.03,18.73) v1(115.01,17.09) v1(115.26,70.02) v1(115.37,70.58) v1(115.52,0.89) v1(115.88,24.7) v1(116.18,49.09) v1(116.52,100.51) v1(117,24.7) v1(117.05,0.89) v1(117.26,49.16) v1(118.05,100.51) v1(118.07,51.04) v1(118.12,24.7) v1(118.16,55.12) v1(118.16,54.63) v1(118.49,52.66) v1(118.49,52.11) v1(118.49,51.56) v1(118.49,51.01) v1(118.58,54.88) v1(118.58,0.89) v1(118.96,52.65) v1(118.96,52.1) v1(118.96,51.55) v1(118.96,51) v1(119.16,43.69) v1(119.16,43.15) v1(119.16,42.61) v1(119.16,42.06) v1(119.16,41.52) v1(119.16,40.98) v1(119.44,53.18) v1(119.44,52.63) v1(119.44,52.08) v1(119.44,51.53) v1(119.44,50.98) v1(119.57,100.51) v1(119.63,43.69) v1(119.63,43.14) v1(119.63,42.6) v1(119.63,42.05) v1(119.63,41.51) v1(119.63,40.96) v1(119.87,53.41) v1(119.87,52.86) v1(119.87,52.31) v1(119.88,51.81) v1(119.88,51.26) v1(119.88,50.71) v1(120.14,43.69) v1(120.14,43.14) v1(120.14,42.6) v1(120.14,42.05) v1(120.14,41.51) v1(120.14,40.96) v1(120.1,0.89) v1(120.27,53.1) v1(120.27,52.55) v1(120.27,52) v1(120.28,51.5) v1(120.28,50.95) v1(120.28,50.4) v1(120.64,43.2) v1(120.64,42.64) v1(120.64,42.08) v1(120.64,41.52) v1(120.64,40.96) v1(120.92,62.63) v1(120.92,62.17) v1(121.1,100.51) v1(121.12,42.98) v1(121.12,42.48) v1(121.12,41.97) v1(121.12,41.47) v1(121.12,40.97) v1(121.26,29.89) v1(121.52,29.52) v1(121.54,25.56) v1(121.54,25.07) v1(121.54,24.57) v1(121.63,0.89) v1(121.78,45.69) v1(121.79,29.88) v1(121.85,40.75) v1(121.85,40.26) v1(121.85,39.76) v1(121.86,39.12) v1(121.86,38.63) v1(121.86,38.13) v1(121.87,37.17) v1(121.87,36.68) v1(121.87,36.18) v1(122.04,29.53) v1(122.09,25.56) v1(122.09,25.07) v1(122.09,24.57) v1(122.19,45.29) v1(122.31,29.88) v1(122.4,40.75) v1(122.4,40.26) v1(122.4,39.76) v1(122.63,100.51) v1(122.56,29.53) v1(122.64,25.56) v1(122.64,25.07) v1(122.69,68.85) v1(122.7,68.29) v1(122.7,67.81) v1(122.89,58.81) v1(122.88,40.74) v1(122.88,40.25) v1(122.88,39.75) v1(123.01,71.08) v1(123.13,29.38) v1(123.19,25.56) v1(123.19,25.07) v1(123.16,0.89) v1(123.3,18.26) v1(123.3,17.77) v1(123.3,17.27) v1(123.43,40.74) v1(123.43,40.25) v1(123.43,39.75) v1(123.4,39.12) v1(123.4,38.63) v1(123.4,38.13) v1(123.51,71.08) v1(123.59,37.12) v1(123.59,36.63) v1(123.59,36.13) v1(123.91,18.27) v1(123.91,17.78) v1(123.91,17.28) v1(124.07,71.08) v1(124.16,100.51) v1(124.56,71.09) v1(124.68,0.89) v1(125.68,100.51) v1(126.21,0.89) v1(127.14,62.41) v1(127.21,100.51) v1(127.74,0.89) v1(128.05,63.16) v1(128.05,62.69) v1(129.12,25.42) v1(129.12,24.93) v1(129.12,24.43) v1(129.27,0.89) v1(129.67,25.42) v1(129.67,24.93) v1(129.67,24.43) v1(130.22,25.42) v1(130.22,24.93) v1(130.22,24.43) v1(130.25,20.47) v1(130.77,25.42) v1(130.77,24.93) v1(130.77,24.43) v1(130.79,0.89) v1(130.96,59.74) v1(130.97,57.71) v1(131.32,25.42) v1(131.32,24.93) v1(131.32,24.43) v1(131.39,20.47) v1(131.75,20.48) v1(131.79,100.51) v1(131.87,25.42) v1(131.87,24.93) v1(131.87,24.43) v1(132.32,0.89) v1(132.58,24.88) v1(132.57,24.16) v1(132.89,20.48) v1(133.32,100.51) v1(133.7,24.88) v1(133.69,24.16) v1(133.85,0.89) v1(134.85,100.51) v1(134.82,24.88) v1(134.81,24.16) v1(135.38,0.89) v1(136.37,100.51) v1(136.9,0.89) v1(137.9,100.51) v1(138.43,0.89) v1(139.43,100.51) v1(144.94,92.98) v1(144.94,91.45) v1(144.94,89.93) v1(144.94,86.87) v1(144.94,85.34) v1(144.94,82.29) v1(144.94,80.76) v1(144.94,77.71) v1(144.94,76.18) v1(144.94,73.13) v1(144.94,71.6) v1(144.94,70.07) v1(144.94,68.54) v1(144.94,67.02) v1(144.94,65.49) v1(144.94,63.96) v1(144.94,62.44) v1(144.94,60.91) v1(144.94,59.38) v1(144.94,57.85) v1(144.94,56.33) v1(144.94,54.8) v1(144.94,53.27) v1(144.94,50.22) v1(144.94,48.69) v1(144.94,47.16) v1(144.94,45.64) v1(144.94,44.11) v1(144.94,42.58) v1(144.94,41.05) v1(144.94,39.53) v1(144.94,38) v1(144.94,36.47) v1(144.94,34.95) v1(144.94,33.42) v1(144.94,31.89) v1(144.94,30.36) v1(144.94,28.84) v1(144.94,27.31) v1(144.94,25.78) v1(144.94,24.26) v1(144.94,22.73) v1(144.94,21.2) v1(144.94,19.67) v1(144.94,18.15) v1(144.94,16.62) v1(144.94,15.09) v1(144.94,13.56) v1(144.94,12.04) v1(144.94,10.51)
